# KiCad board IotKnob.kicad_pcb (continued)
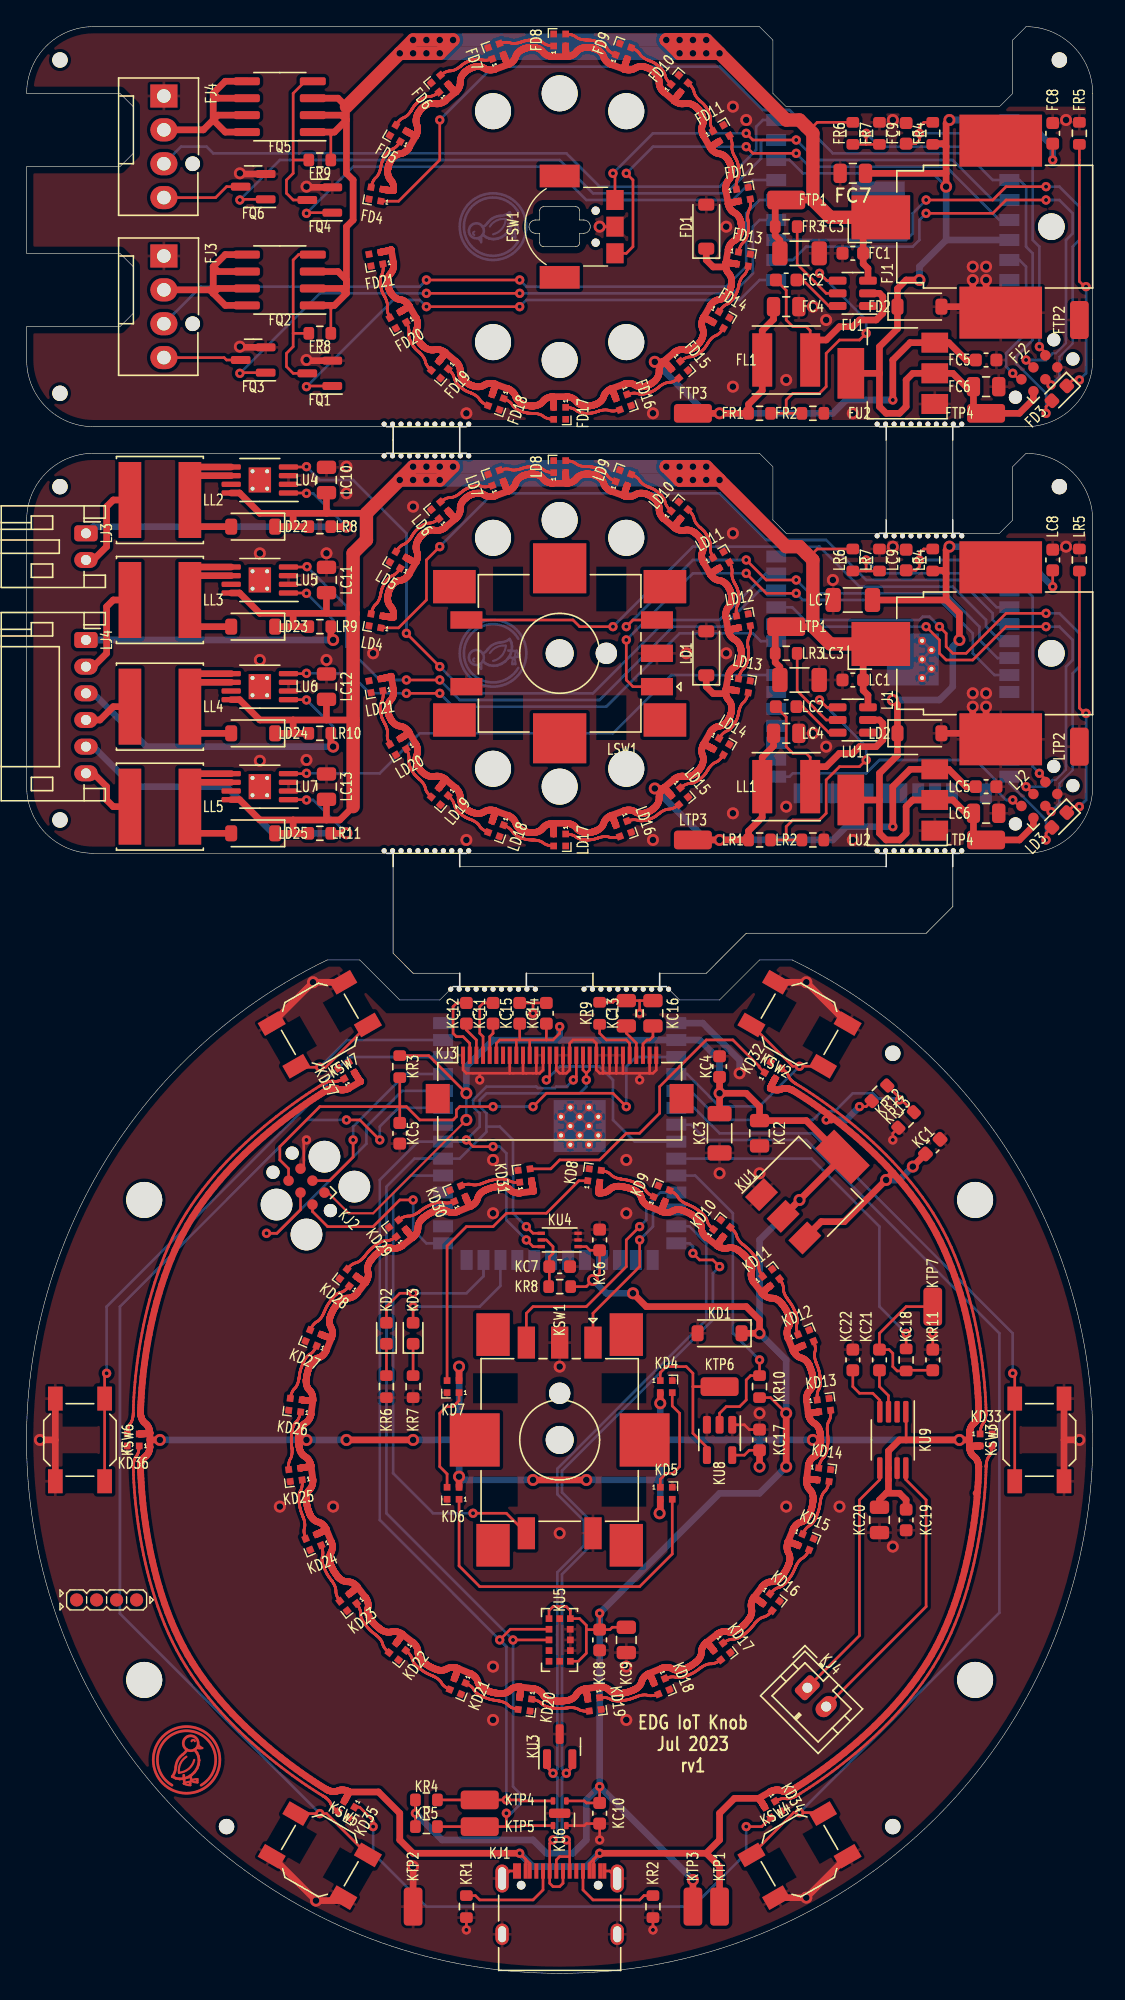
[diagram p0: board, top side]
## Routing (per net, layer and track width the routed paths; a pad name or vN(x,y) marks a point on that pad's centre or on a via; arc(x,y) is an arc through that point) (continued)
rgb_ring.led[11].dout: length 12.1
  Top w0.2: 48.83,87.56 48.81,87.55 48.76,87.52 48.7,87.48 48.68,87.47 48.65,87.45 48.61,87.44 48.55,87.41 48.52,87.39 48.48,87.38 48.45,87.37 48.42,87.35 48.38,87.35 48.34,87.34 48.31,87.33 48.28,87.33 48.24,87.32 48.2,87.32 48.17,87.32 48.14,87.32 48.1,87.31 48.06,87.31 48.03,87.3 48,87.29 47.96,87.28 47.93,87.27 47.89,87.25 47.86,87.24 47.83,87.22 47.77,87.19 47.73,87.18 47.71,87.16 47.68,87.14 47.65,87.13 47.6,87.1 47.56,87.07 47.51,87.03 47.5,87.02 47.48,87.01 47.44,86.98 47.42,86.96 47.41,86.95 47.39,86.93 47.35,86.9 47.32,86.88 47.27,86.84 47.25,86.83 47.24,86.82 47.22,86.8 47.2,86.79 47.19,86.78 47.17,86.77 47.16,86.76 47.12,86.74 47.09,86.72 47.06,86.7 47.05,86.7 47.01,86.68 46.96,86.65 46.94,86.64 46.88,86.62 46.84,86.6 46.79,86.58 46.75,86.56 46.72,86.55 46.7,86.55 46.68,86.54 46.67,86.54 46.64,86.53 46.61,86.52 46.58,86.51 46.53,86.49 46.48,86.48 46.45,86.47 46.39,86.46 46.32,86.45 46.29,86.45 46.22,86.44 46.18,86.44 46.14,86.44 46.11,86.44 46.07,86.44 46.03,86.44 46,86.45 45.96,86.45 45.93,86.46 45.89,86.47 45.83,86.49 45.8,86.5 45.76,86.51 45.73,86.52 45.69,86.52 45.65,86.52 45.62,86.52 45.55,86.52 45.51,86.52 45.47,86.52 45.4,86.51 45.37,86.51 45.34,86.5 45.28,86.49 45.25,86.48 45.22,86.47 45.19,86.47 ; 42.08,19.66 42.05,19.66 41.97,19.66 41.93,19.66 41.9,19.66 41.83,19.67 41.8,19.67 41.76,19.68 41.73,19.69 41.69,19.69 41.66,19.7 41.62,19.71 41.58,19.72 41.55,19.73 41.52,19.75 41.49,19.76 41.45,19.78 41.42,19.79 41.4,19.81 41.36,19.83 41.3,19.86 41.27,19.87 41.23,19.88 41.2,19.89 41.16,19.9 41.12,19.9 41.09,19.91 41.05,19.92 41.02,19.92 40.98,19.92 40.92,19.93 40.89,19.93 40.8,19.93 40.72,19.92 40.7,19.92 40.68,19.92 40.64,19.92 40.62,19.92 40.62,19.92 40.61,19.91 40.6,19.91 40.58,19.91 40.57,19.91 40.55,19.91 40.53,19.9 40.49,19.9 40.47,19.9 40.45,19.9 40.4,19.89 40.37,19.89 40.32,19.88 40.29,19.88 40.26,19.88 40.12,19.87 40.05,19.86 40.02,19.86 40,19.86 39.98,19.86 39.95,19.86 39.88,19.87 39.74,19.88 39.71,19.88 39.68,19.88 39.63,19.89 39.6,19.89 39.55,19.9 39.53,19.9 39.51,19.9 39.47,19.9 39.45,19.91 39.43,19.91 39.42,19.91 39.4,19.91 39.39,19.91 39.38,19.92 39.36,19.92 39.32,19.93 39.28,19.93 39.26,19.94 39.21,19.95 39.18,19.96 39.12,19.97 39.09,19.98 39.06,19.99 39.03,20 38.99,20.02 38.96,20.03 38.93,20.04 38.89,20.06 38.86,20.07 38.83,20.09 38.8,20.11 38.77,20.13 38.74,20.15 38.71,20.17 38.68,20.19 38.66,20.22 38.61,20.27 38.58,20.29 38.56,20.31 38.53,20.33 38.5,20.35 38.47,20.37 38.44,20.39 38.4,20.41 38.37,20.42 38.34,20.44 38.31,20.45 38.27,20.47 38.24,20.48 38.21,20.49 38.18,20.5 38.12,20.52 38.09,20.53 38.06,20.53 38.03,20.54 ; 48.83,119.56 48.81,119.55 48.76,119.52 48.7,119.48 48.68,119.47 48.65,119.45 48.61,119.44 48.55,119.41 48.52,119.39 48.48,119.38 48.45,119.37 48.42,119.35 48.38,119.35 48.34,119.34 48.31,119.33 48.28,119.33 48.24,119.32 48.2,119.32 48.17,119.32 48.14,119.32 48.1,119.31 48.06,119.31 48.03,119.3 48,119.29 47.96,119.28 47.93,119.27 47.89,119.25 47.86,119.24 47.83,119.22 47.77,119.19 47.73,119.18 47.71,119.16 47.68,119.14 47.65,119.13 47.6,119.1 47.56,119.07 47.51,119.03 47.5,119.02 47.48,119.01 47.44,118.98 47.42,118.96 47.41,118.95 47.39,118.93 47.35,118.9 47.32,118.88 47.27,118.84 47.25,118.83 47.24,118.82 47.22,118.8 47.2,118.79 47.19,118.78 47.17,118.77 47.16,118.76 47.12,118.74 47.09,118.72 47.06,118.7 47.05,118.7 47.01,118.68 46.96,118.65 46.94,118.64 46.88,118.62 46.84,118.6 46.79,118.58 46.75,118.56 46.73,118.56 46.72,118.55 46.7,118.55 46.68,118.54 46.67,118.54 46.65,118.53 46.64,118.53 46.61,118.52 46.58,118.51 46.53,118.49 46.48,118.48 46.45,118.47 46.39,118.46 46.32,118.45 46.29,118.45 46.22,118.44 46.18,118.44 46.14,118.44 46.11,118.44 46.07,118.44 46.03,118.44 46,118.45 45.96,118.45 45.93,118.46 45.89,118.47 45.83,118.49 45.8,118.5 45.76,118.51 45.73,118.52 45.69,118.52 45.65,118.52 45.62,118.52 45.55,118.52 45.51,118.52 45.47,118.52 45.4,118.51 45.37,118.51 45.34,118.5 45.28,118.49 45.25,118.48 45.22,118.47 45.19,118.47
rgb_ring.led[12].dout: length 12.1
  Top w0.2: 44.38,85.23 44.36,85.23 44.33,85.22 44.3,85.21 44.27,85.21 44.24,85.2 44.21,85.2 44.14,85.19 44.07,85.18 44.03,85.18 44,85.18 43.96,85.18 43.92,85.18 43.89,85.18 43.85,85.19 43.82,85.19 43.78,85.2 43.75,85.21 43.68,85.23 43.65,85.24 43.61,85.25 43.58,85.25 43.54,85.26 43.51,85.26 43.43,85.26 43.4,85.26 43.36,85.26 43.33,85.26 43.26,85.25 43.22,85.24 43.19,85.24 43.16,85.23 43.13,85.23 43.07,85.21 43.05,85.21 43.02,85.2 43,85.2 42.98,85.19 42.96,85.18 42.95,85.18 42.93,85.17 42.92,85.17 42.89,85.16 42.89,85.16 42.88,85.16 42.86,85.15 42.84,85.14 42.83,85.14 42.81,85.13 42.8,85.13 42.77,85.12 42.75,85.11 42.73,85.11 42.71,85.1 42.65,85.08 42.61,85.07 42.55,85.06 42.53,85.05 42.48,85.04 42.43,85.03 42.31,85.02 42.27,85.02 42.25,85.01 42.19,85.01 42.17,85.01 42.13,85.01 42.12,85.01 42.1,85.01 42.06,85.01 41.98,85.01 41.97,85.01 41.96,85.01 41.91,85.01 41.86,85.01 41.8,85.02 41.77,85.02 41.71,85.03 41.68,85.04 41.64,85.05 41.61,85.06 41.58,85.06 41.51,85.08 41.47,85.1 41.44,85.11 41.41,85.12 41.37,85.14 41.34,85.15 41.31,85.17 41.28,85.19 41.25,85.21 41.2,85.25 41.17,85.27 41.14,85.29 41.11,85.31 41.08,85.33 41.04,85.34 41.01,85.36 40.98,85.37 40.94,85.38 40.87,85.4 40.84,85.41 40.81,85.42 40.77,85.42 40.74,85.43 40.68,85.44 40.65,85.44 40.59,85.45 ; 44.38,117.23 44.36,117.23 44.33,117.22 44.3,117.21 44.27,117.21 44.24,117.2 44.17,117.19 44.14,117.19 44.07,117.18 44.03,117.18 44,117.18 43.96,117.18 43.92,117.18 43.89,117.18 43.85,117.19 43.82,117.19 43.78,117.2 43.75,117.21 43.68,117.23 43.65,117.24 43.61,117.25 43.58,117.25 43.54,117.26 43.51,117.26 43.43,117.26 43.4,117.26 43.36,117.26 43.33,117.26 43.26,117.25 43.22,117.24 43.19,117.24 43.16,117.23 43.13,117.23 43.07,117.21 43.05,117.21 43.02,117.2 43,117.2 42.98,117.19 42.96,117.18 42.95,117.18 42.93,117.17 42.92,117.17 42.89,117.16 42.89,117.16 42.88,117.16 42.86,117.15 42.84,117.14 42.81,117.13 42.8,117.13 42.77,117.12 42.75,117.11 42.73,117.11 42.71,117.1 42.65,117.08 42.61,117.07 42.55,117.06 42.53,117.05 42.48,117.04 42.43,117.03 42.31,117.02 42.27,117.02 42.25,117.01 42.19,117.01 42.17,117.01 42.13,117.01 42.12,117.01 42.1,117.01 42.06,117.01 42.04,117.01 41.98,117.01 41.97,117.01 41.96,117.01 41.91,117.01 41.86,117.01 41.8,117.02 41.77,117.02 41.71,117.03 41.68,117.04 41.64,117.05 41.61,117.06 41.58,117.06 41.51,117.08 41.47,117.1 41.44,117.11 41.41,117.12 41.37,117.14 41.34,117.15 41.31,117.17 41.28,117.19 41.25,117.21 41.2,117.25 41.17,117.27 41.14,117.29 41.11,117.31 41.08,117.33 41.04,117.34 41.01,117.36 40.98,117.37 40.94,117.38 40.87,117.4 40.84,117.41 40.81,117.42 40.77,117.42 40.74,117.43 40.68,117.44 40.65,117.44 40.59,117.45 ; 33.06,21.71 33.11,21.68 33.16,21.65 33.19,21.64 33.22,21.62 33.25,21.6 33.3,21.56 33.36,21.51 33.39,21.49 33.41,21.46 33.44,21.44 33.46,21.41 33.49,21.39 33.51,21.36 33.53,21.33 33.55,21.3 33.56,21.27 33.58,21.24 33.6,21.21 33.62,21.18 33.64,21.15 33.67,21.12 33.69,21.1 33.74,21.05 33.77,21.02 33.8,21 33.85,20.96 33.88,20.94 33.91,20.92 33.97,20.88 33.99,20.87 34.04,20.84 34.07,20.83 34.09,20.81 34.11,20.8 34.14,20.79 34.17,20.77 34.19,20.76 34.21,20.76 34.23,20.75 34.25,20.74 34.27,20.73 34.28,20.73 34.3,20.72 34.34,20.7 34.36,20.7 34.39,20.69 34.41,20.68 34.44,20.67 34.46,20.66 34.49,20.65 34.51,20.64 34.54,20.63 34.56,20.62 34.67,20.58 34.69,20.58 34.72,20.57 34.74,20.56 34.77,20.56 34.81,20.54 34.83,20.54 34.86,20.53 34.88,20.53 34.91,20.52 34.93,20.52 35.01,20.5 35.1,20.49 35.12,20.48 35.15,20.48 35.2,20.47 35.23,20.46 35.25,20.46 35.27,20.46 35.31,20.45 35.33,20.45 35.35,20.45 35.38,20.44 35.4,20.44 35.44,20.43 35.48,20.43 35.5,20.42 35.57,20.41 35.6,20.4 35.66,20.38 35.69,20.37 35.75,20.35 35.78,20.34 35.82,20.33 35.88,20.3 35.92,20.28 35.95,20.27 35.98,20.25 36.04,20.21 36.07,20.19 36.1,20.16 36.12,20.14 36.17,20.09 36.19,20.07 36.22,20.04 36.25,20.02 36.31,19.98 36.34,19.96 36.38,19.95 36.41,19.93 36.44,19.92 36.51,19.89 36.54,19.88 36.57,19.87 36.6,19.86 36.66,19.84 36.72,19.82 36.75,19.82
rgb_ring.led[13].dout: length 12.1
  Top w0.2: 35.92,118.06 36,118.03 36.02,118.01 36.05,117.99 36.11,117.96 36.14,117.94 36.17,117.92 36.22,117.88 36.28,117.83 36.31,117.81 36.33,117.78 36.36,117.76 36.38,117.73 36.4,117.7 36.42,117.67 36.44,117.64 36.46,117.61 36.48,117.58 36.5,117.56 36.52,117.53 36.55,117.5 36.57,117.48 36.63,117.43 36.66,117.41 36.68,117.39 36.71,117.36 36.77,117.33 36.8,117.31 36.83,117.29 36.91,117.25 36.94,117.23 36.96,117.22 36.98,117.21 37,117.2 37.02,117.19 37.06,117.18 37.07,117.18 37.08,117.17 37.09,117.17 37.11,117.16 37.11,117.16 37.12,117.16 37.14,117.15 37.16,117.14 37.19,117.13 37.2,117.13 37.23,117.12 37.25,117.11 37.27,117.11 37.29,117.1 37.35,117.08 37.39,117.07 37.45,117.06 37.47,117.05 37.52,117.04 37.57,117.03 37.69,117.02 37.73,117.02 37.75,117.01 37.81,117.01 37.83,117.01 37.87,117.01 37.88,117.01 37.9,117.01 37.94,117.01 37.96,117.01 38.02,117.01 38.03,117.01 38.04,117.01 38.09,117 38.14,117 38.2,116.99 38.23,116.99 38.29,116.98 38.32,116.97 38.36,116.97 38.39,116.96 38.42,116.95 38.49,116.93 38.53,116.92 38.56,116.91 38.59,116.89 38.63,116.88 38.66,116.86 38.69,116.84 38.72,116.82 38.75,116.8 38.8,116.76 38.83,116.74 38.86,116.72 38.89,116.7 38.92,116.69 38.96,116.67 38.99,116.66 39.02,116.65 39.06,116.63 39.13,116.61 39.16,116.61 39.19,116.6 39.23,116.59 39.26,116.58 39.32,116.57 39.35,116.57 39.41,116.56 ; 39.41,84.56 39.35,84.57 39.32,84.57 39.26,84.58 39.23,84.59 39.19,84.6 39.16,84.61 39.13,84.61 39.06,84.63 39.02,84.65 38.99,84.66 38.96,84.67 38.92,84.69 38.89,84.7 38.86,84.72 38.83,84.74 38.8,84.76 38.75,84.8 38.72,84.82 38.69,84.84 38.66,84.86 38.63,84.88 38.59,84.89 38.56,84.91 38.53,84.92 38.49,84.93 38.42,84.95 38.39,84.96 38.36,84.97 38.32,84.97 38.29,84.98 38.23,84.99 38.2,84.99 38.14,85 38.09,85 38.04,85.01 38.03,85.01 37.96,85.01 37.94,85.01 37.9,85.01 37.88,85.01 37.87,85.01 37.83,85.01 37.81,85.01 37.75,85.01 37.73,85.02 37.69,85.02 37.59,85.03 37.57,85.03 37.52,85.04 37.47,85.05 37.39,85.07 37.35,85.08 37.29,85.1 37.27,85.11 37.25,85.11 37.22,85.12 37.2,85.13 37.19,85.13 37.17,85.14 37.16,85.14 37.14,85.15 37.12,85.16 37.11,85.16 37.1,85.16 37.08,85.17 37.08,85.17 37.07,85.18 37.06,85.18 37.02,85.19 37,85.2 36.98,85.21 36.96,85.22 36.94,85.23 36.91,85.25 36.83,85.29 36.8,85.31 36.77,85.33 36.71,85.36 36.68,85.39 36.66,85.41 36.63,85.43 36.57,85.48 36.55,85.5 36.52,85.53 36.5,85.56 36.48,85.58 36.46,85.61 36.44,85.64 36.42,85.67 36.4,85.7 36.38,85.73 36.36,85.76 36.33,85.78 36.31,85.81 36.28,85.83 36.22,85.88 36.17,85.92 36.14,85.94 36.11,85.96 36.05,85.99 36.02,86.01 36,86.03 35.92,86.06 ; 28.56,24.13 28.58,24.11 28.6,24.09 28.62,24.07 28.67,24.02 28.71,23.97 28.73,23.95 28.78,23.89 28.8,23.86 28.82,23.83 28.84,23.8 28.86,23.77 28.87,23.74 28.89,23.71 28.9,23.67 28.92,23.64 28.92,23.61 28.93,23.57 28.94,23.54 28.95,23.5 28.96,23.47 28.98,23.44 28.99,23.41 29.01,23.37 29.03,23.34 29.05,23.31 29.09,23.25 29.11,23.22 29.13,23.2 29.18,23.14 29.2,23.12 29.24,23.07 29.28,23.03 29.3,23.02 29.34,22.98 29.36,22.97 29.38,22.95 29.41,22.92 29.43,22.91 29.44,22.9 29.45,22.9 29.46,22.89 29.47,22.88 29.49,22.86 29.5,22.85 29.54,22.83 29.58,22.8 29.6,22.78 29.64,22.75 29.69,22.72 29.71,22.7 29.78,22.66 29.82,22.63 29.85,22.61 29.87,22.6 29.89,22.59 29.91,22.57 29.93,22.56 29.95,22.55 29.97,22.54 30.01,22.52 30.08,22.48 30.11,22.47 30.14,22.46 30.21,22.42 30.26,22.4 30.28,22.39 30.33,22.37 30.35,22.36 30.39,22.34 30.43,22.32 30.44,22.32 30.48,22.3 30.49,22.3 30.52,22.28 30.57,22.26 30.61,22.24 30.63,22.23 30.67,22.21 30.7,22.19 30.75,22.16 30.81,22.12 30.84,22.1 30.87,22.08 30.89,22.06 30.92,22.03 30.95,22.01 30.98,21.99 31,21.96 31.03,21.93 31.05,21.91 31.07,21.88 31.09,21.85 31.11,21.82 31.13,21.79 31.14,21.76 31.16,21.73 31.18,21.7 31.21,21.67 31.25,21.62 31.28,21.59 31.31,21.57 31.33,21.54 31.36,21.52 31.39,21.5 31.42,21.48 31.45,21.46 31.5,21.42 31.56,21.39 31.58,21.37 31.63,21.35
rgb_ring.led[14].dout: length 12.1
  Top w0.2: 34.5,85.64 34.48,85.65 34.45,85.66 34.4,85.69 34.34,85.72 34.32,85.74 34.29,85.76 34.26,85.78 34.23,85.8 34.17,85.85 34.14,85.87 34.12,85.89 34.09,85.92 34.07,85.94 34.04,85.97 34.02,86 34,86.03 33.97,86.09 33.95,86.12 33.92,86.14 33.9,86.17 33.88,86.2 33.82,86.25 33.77,86.29 33.71,86.34 33.68,86.36 33.65,86.38 33.62,86.39 33.59,86.41 33.57,86.43 33.54,86.44 33.51,86.45 33.49,86.47 33.46,86.48 33.42,86.5 33.4,86.51 33.38,86.51 33.33,86.53 33.32,86.54 33.29,86.55 33.28,86.55 33.22,86.58 33.21,86.58 33.16,86.6 33.06,86.64 33.04,86.65 32.99,86.68 32.95,86.7 32.94,86.7 32.91,86.72 32.88,86.74 32.84,86.76 32.83,86.77 32.81,86.78 32.8,86.79 32.78,86.8 32.76,86.82 32.75,86.83 32.68,86.88 32.62,86.92 32.61,86.93 32.59,86.95 32.58,86.96 32.54,86.99 32.52,87.01 32.49,87.03 32.48,87.05 32.43,87.09 32.41,87.11 32.39,87.13 32.37,87.16 32.35,87.18 32.33,87.2 32.31,87.23 32.29,87.26 32.25,87.31 32.21,87.37 32.19,87.4 32.17,87.43 32.15,87.47 32.14,87.5 32.12,87.53 32.11,87.57 32.1,87.6 32.09,87.63 32.08,87.7 32.07,87.73 32.06,87.77 32.05,87.8 32.03,87.84 32,87.9 31.98,87.93 31.96,87.96 31.94,87.99 31.92,88.02 31.9,88.05 31.88,88.08 31.84,88.13 31.8,88.18 31.78,88.2 31.74,88.24 ; 34.5,117.64 34.48,117.65 34.45,117.66 34.4,117.69 34.34,117.72 34.32,117.74 34.26,117.78 34.23,117.8 34.17,117.85 34.14,117.87 34.12,117.89 34.09,117.92 34.07,117.94 34.04,117.97 34.02,118 34,118.03 33.97,118.09 33.95,118.12 33.92,118.14 33.9,118.17 33.88,118.2 33.82,118.25 33.77,118.29 33.71,118.34 33.68,118.36 33.65,118.38 33.62,118.39 33.59,118.41 33.57,118.43 33.54,118.44 33.51,118.45 33.49,118.47 33.46,118.48 33.42,118.5 33.4,118.51 33.38,118.51 33.33,118.53 33.32,118.54 33.29,118.55 33.28,118.55 33.27,118.56 33.21,118.58 33.16,118.6 33.06,118.64 33.04,118.65 32.99,118.68 32.95,118.7 32.94,118.7 32.91,118.72 32.88,118.74 32.84,118.76 32.83,118.77 32.81,118.78 32.8,118.79 32.78,118.8 32.76,118.82 32.75,118.83 32.68,118.88 32.62,118.92 32.61,118.93 32.59,118.95 32.58,118.96 32.54,118.99 32.52,119.01 32.49,119.03 32.48,119.05 32.43,119.09 32.41,119.11 32.39,119.13 32.37,119.16 32.35,119.18 32.33,119.2 32.31,119.23 32.29,119.26 32.25,119.31 32.21,119.37 32.19,119.4 32.17,119.43 32.15,119.47 32.14,119.5 32.12,119.53 32.11,119.57 32.1,119.6 32.09,119.63 32.08,119.7 32.07,119.73 32.06,119.77 32.05,119.8 32.03,119.84 32,119.9 31.98,119.93 31.96,119.96 31.94,119.99 31.92,120.02 31.9,120.05 31.88,120.08 31.84,120.13 31.8,120.18 31.78,120.2 31.74,120.24 ; 27.09,24.15 27.05,24.19 27.03,24.21 27,24.23 26.98,24.25 26.96,24.28 26.94,24.3 26.89,24.36 26.85,24.42 26.83,24.45 26.79,24.51 26.78,24.54 26.76,24.57 26.75,24.61 26.73,24.64 26.72,24.67 26.71,24.74 26.7,24.77 26.69,24.81 26.67,24.84 26.66,24.87 26.64,24.9 26.6,24.97 26.58,25 26.54,25.05 26.52,25.08 26.47,25.13 26.43,25.18 26.41,25.2 26.39,25.23 26.33,25.28 26.28,25.32 26.26,25.34 26.24,25.36 26.2,25.38 26.18,25.4 26.15,25.43 26.11,25.45 26.08,25.49 25.99,25.55 25.95,25.59 25.93,25.61 25.87,25.66 25.85,25.68 25.83,25.7 25.81,25.71 25.79,25.73 25.77,25.75 25.74,25.78 25.72,25.8 25.71,25.81 25.69,25.83 25.67,25.85 25.65,25.87 25.6,25.94 25.58,25.96 25.55,26 25.5,26.06 25.48,26.08 25.45,26.12 25.42,26.15 25.4,26.18 25.38,26.21 25.36,26.23 25.35,26.25 25.34,26.26 25.33,26.28 25.3,26.32 25.28,26.34 25.27,26.36 25.26,26.39 25.23,26.44 25.21,26.46 25.2,26.49 25.17,26.55 25.14,26.61 25.12,26.65 25.1,26.72 25.09,26.75 25.08,26.79 25.07,26.82 25.07,26.86 25.06,26.89 25.06,26.93 25.06,26.96 25.06,27.03 25.06,27.07 25.05,27.1 25.05,27.14 25.04,27.17 25.03,27.21 25.01,27.28 25,27.31 24.99,27.35 24.98,27.38 24.96,27.41 24.95,27.44 24.92,27.5 24.9,27.53 24.89,27.56 24.86,27.61 24.84,27.63
rgb_ring.led[15].dout: length 12.1
  Top w0.2: 30.26,88.32 30.2,88.39 30.19,88.41 30.16,88.43 30.12,88.49 30.08,88.54 30.04,88.6 30.02,88.63 30,88.66 29.99,88.7 29.97,88.73 29.96,88.76 29.94,88.8 29.93,88.83 29.92,88.86 29.91,88.93 29.9,88.97 29.89,89 29.88,89.03 29.86,89.07 29.85,89.1 29.83,89.13 29.81,89.16 29.8,89.19 29.76,89.25 29.71,89.31 29.67,89.36 29.63,89.41 29.61,89.43 29.59,89.45 29.57,89.47 29.54,89.5 29.5,89.54 29.48,89.56 29.47,89.57 29.44,89.6 29.42,89.61 29.39,89.63 29.38,89.64 29.36,89.67 29.33,89.69 29.31,89.71 29.3,89.72 29.27,89.75 29.25,89.76 29.24,89.78 29.19,89.82 29.14,89.87 29.13,89.89 29.12,89.9 29.11,89.91 29.08,89.96 29.04,90.01 29.03,90.03 29.02,90.04 28.97,90.11 28.94,90.16 28.94,90.17 28.93,90.19 28.92,90.2 28.9,90.23 28.9,90.24 28.88,90.26 28.87,90.28 28.87,90.29 28.86,90.3 28.85,90.32 28.84,90.34 28.82,90.38 28.8,90.43 28.79,90.45 28.78,90.48 28.77,90.51 28.76,90.54 28.75,90.57 28.73,90.6 28.72,90.64 28.71,90.67 28.7,90.7 28.7,90.74 28.69,90.77 28.68,90.81 28.68,90.85 28.67,90.88 28.67,90.92 28.67,90.95 28.67,90.99 28.68,91.02 28.69,91.09 28.69,91.13 28.69,91.16 28.69,91.2 28.69,91.23 28.69,91.27 28.68,91.31 28.68,91.34 28.67,91.38 28.66,91.41 28.65,91.45 28.63,91.51 28.62,91.55 28.61,91.58 28.6,91.61 28.59,91.64 28.56,91.69 28.55,91.71 ; 23.42,28.03 23.41,28.06 23.38,28.11 23.36,28.13 23.35,28.16 23.33,28.19 23.32,28.22 23.3,28.25 23.29,28.28 23.28,28.32 23.26,28.35 23.25,28.39 23.23,28.46 23.22,28.49 23.22,28.53 23.21,28.56 23.21,28.6 23.21,28.63 23.21,28.67 23.21,28.7 23.21,28.74 23.2,28.77 23.2,28.81 23.19,28.84 23.19,28.88 23.18,28.91 23.17,28.95 23.15,28.98 23.14,29.01 23.11,29.08 23.1,29.11 23.08,29.14 23.05,29.2 23.04,29.23 23.01,29.28 22.98,29.32 22.97,29.34 22.96,29.36 22.95,29.37 22.93,29.4 22.92,29.42 22.9,29.43 22.9,29.44 22.89,29.45 22.88,29.47 22.87,29.48 22.86,29.49 22.85,29.51 22.82,29.54 22.79,29.58 22.78,29.6 22.75,29.65 22.71,29.69 22.7,29.72 22.65,29.78 22.62,29.83 22.61,29.85 22.59,29.87 22.58,29.89 22.57,29.92 22.56,29.93 22.54,29.95 22.53,29.98 22.51,30.02 22.47,30.09 22.46,30.12 22.45,30.14 22.41,30.22 22.39,30.27 22.38,30.29 22.36,30.34 22.35,30.36 22.33,30.4 22.32,30.43 22.31,30.45 22.3,30.49 22.29,30.5 22.28,30.52 22.28,30.53 22.27,30.56 22.25,30.59 22.23,30.67 22.23,30.69 22.22,30.72 22.21,30.75 22.2,30.78 22.2,30.81 22.18,30.88 22.17,30.95 22.17,30.99 22.17,31.06 22.17,31.1 22.17,31.13 22.17,31.17 22.18,31.2 22.18,31.24 22.19,31.27 22.2,31.31 22.21,31.34 22.22,31.37 22.22,31.41 22.23,31.45 22.23,31.48 22.23,31.52 22.23,31.55 22.23,31.59 22.22,31.66 22.21,31.73 22.21,31.77 22.2,31.8 22.19,31.86 22.18,31.89 22.17,31.92 22.17,31.95 22.16,31.97 ; 28.55,123.71 28.56,123.69 28.59,123.64 28.6,123.61 28.61,123.58 28.62,123.55 28.63,123.51 28.65,123.45 28.66,123.41 28.67,123.38 28.68,123.34 28.68,123.31 28.69,123.27 28.69,123.23 28.69,123.2 28.69,123.16 28.69,123.13 28.69,123.09 28.68,123.02 28.67,122.99 28.67,122.95 28.67,122.92 28.67,122.88 28.68,122.85 28.68,122.81 28.69,122.77 28.7,122.74 28.7,122.7 28.71,122.67 28.72,122.64 28.73,122.6 28.75,122.57 28.76,122.54 28.77,122.51 28.78,122.48 28.79,122.45 28.8,122.43 28.82,122.38 28.84,122.34 28.85,122.32 28.86,122.3 28.87,122.29 28.88,122.28 28.89,122.25 28.9,122.24 28.92,122.2 28.93,122.19 28.94,122.17 28.97,122.11 29.02,122.04 29.03,122.03 29.04,122.01 29.06,121.98 29.08,121.96 29.11,121.91 29.12,121.9 29.13,121.89 29.14,121.87 29.19,121.82 29.24,121.78 29.25,121.76 29.27,121.75 29.3,121.72 29.31,121.71 29.33,121.69 29.36,121.67 29.38,121.64 29.42,121.61 29.46,121.58 29.47,121.56 29.54,121.5 29.57,121.47 29.59,121.45 29.61,121.43 29.63,121.41 29.67,121.36 29.71,121.31 29.76,121.25 29.8,121.19 29.81,121.16 29.83,121.13 29.85,121.1 29.86,121.07 29.88,121.03 29.89,121 29.9,120.97 29.91,120.93 29.92,120.86 29.93,120.83 29.94,120.8 29.96,120.76 29.97,120.73 29.99,120.7 30,120.66 30.02,120.63 30.04,120.6 30.08,120.54 30.12,120.49 30.16,120.43 30.19,120.41 30.2,120.39 30.26,120.32
rgb_ring.led[16].dout: length 12.1
  Top w0.2: 27.2,92.3 27.19,92.32 27.17,92.35 27.16,92.38 27.15,92.41 27.14,92.44 27.13,92.47 27.12,92.5 27.11,92.53 27.1,92.57 27.09,92.6 27.08,92.64 27.08,92.67 27.07,92.71 27.06,92.74 27.06,92.78 27.06,92.81 27.06,92.85 27.06,92.89 27.06,92.92 27.07,92.95 27.07,92.99 27.08,93.02 27.08,93.06 27.08,93.1 27.08,93.13 27.07,93.2 27.06,93.24 27.06,93.27 27.04,93.34 27.03,93.38 27.02,93.41 27.01,93.44 27,93.47 26.98,93.5 26.97,93.53 26.96,93.56 26.95,93.59 26.94,93.61 26.93,93.63 26.91,93.67 26.89,93.72 26.87,93.74 26.86,93.76 26.83,93.81 26.82,93.84 26.81,93.86 26.8,93.87 26.78,93.91 26.78,93.92 26.76,93.96 26.73,94.01 26.71,94.05 26.7,94.09 26.69,94.1 26.68,94.12 26.66,94.17 26.66,94.19 26.65,94.2 26.65,94.22 26.64,94.24 26.64,94.26 26.63,94.28 26.61,94.34 26.61,94.36 26.61,94.38 26.6,94.4 26.6,94.42 26.59,94.46 26.58,94.47 26.58,94.51 26.57,94.55 26.56,94.58 26.56,94.6 26.56,94.63 26.55,94.66 26.55,94.7 26.55,94.72 26.54,94.75 26.54,94.77 26.54,94.8 26.54,94.86 26.54,94.93 26.54,95 26.55,95.07 26.56,95.14 26.57,95.21 26.58,95.25 26.59,95.28 26.6,95.31 26.61,95.35 26.63,95.38 26.65,95.41 26.66,95.44 26.68,95.47 26.69,95.5 26.7,95.54 26.72,95.61 26.74,95.68 26.75,95.75 26.75,95.82 26.76,95.89 26.76,95.95 26.75,96.01 26.75,96.04 26.75,96.07 ; 27.2,124.3 27.19,124.32 27.17,124.35 27.16,124.38 27.15,124.41 27.14,124.44 27.13,124.47 27.12,124.5 27.11,124.53 27.1,124.57 27.09,124.6 27.08,124.64 27.08,124.67 27.07,124.71 27.06,124.74 27.06,124.78 27.06,124.81 27.06,124.85 27.06,124.89 27.06,124.92 27.07,124.95 27.07,124.99 27.08,125.02 27.08,125.06 27.08,125.1 27.08,125.13 27.07,125.2 27.06,125.24 27.06,125.27 27.04,125.34 27.03,125.38 27.02,125.41 27.01,125.44 27,125.47 26.98,125.5 26.97,125.53 26.96,125.56 26.95,125.59 26.94,125.61 26.93,125.63 26.91,125.67 26.89,125.72 26.87,125.74 26.86,125.76 26.83,125.81 26.82,125.84 26.81,125.86 26.8,125.87 26.78,125.91 26.78,125.92 26.76,125.96 26.73,126.01 26.71,126.05 26.7,126.09 26.69,126.1 26.68,126.12 26.66,126.17 26.66,126.19 26.65,126.2 26.65,126.22 26.64,126.24 26.64,126.26 26.63,126.28 26.61,126.34 26.61,126.36 26.61,126.38 26.6,126.4 26.6,126.42 26.59,126.46 26.58,126.47 26.58,126.51 26.57,126.55 26.56,126.58 26.56,126.6 26.56,126.63 26.55,126.66 26.55,126.7 26.55,126.72 26.54,126.75 26.54,126.77 26.54,126.8 26.54,126.86 26.54,126.93 26.54,127 26.55,127.07 26.56,127.14 26.57,127.21 26.58,127.25 26.59,127.28 26.6,127.31 26.61,127.35 26.63,127.38 26.65,127.41 26.66,127.44 26.68,127.47 26.69,127.5 26.7,127.54 26.72,127.61 26.74,127.68 26.75,127.75 26.75,127.82 26.76,127.89 26.76,127.95 26.75,128.01 26.75,128.04 26.75,128.07 ; 20.89,32.73 20.88,32.76 20.87,32.78 20.86,32.81 20.86,32.84 20.85,32.87 20.84,32.91 20.83,32.97 20.82,33.04 20.81,33.12 20.81,33.15 20.81,33.19 20.81,33.22 20.82,33.26 20.82,33.3 20.83,33.33 20.84,33.37 20.85,33.4 20.86,33.43 20.86,33.47 20.87,33.5 20.87,33.54 20.88,33.61 20.88,33.64 20.87,33.72 20.87,33.79 20.86,33.82 20.86,33.86 20.85,33.89 20.84,33.92 20.83,33.95 20.83,33.98 20.82,34.01 20.81,34.04 20.8,34.07 20.79,34.11 20.78,34.13 20.77,34.16 20.76,34.19 20.75,34.21 20.74,34.24 20.73,34.26 20.73,34.27 20.72,34.29 20.71,34.31 20.7,34.35 20.69,34.37 20.68,34.39 20.67,34.42 20.66,34.44 20.65,34.47 20.64,34.49 20.63,34.52 20.62,34.54 20.61,34.57 20.58,34.68 20.57,34.7 20.56,34.72 20.56,34.75 20.55,34.77 20.54,34.81 20.53,34.84 20.53,34.86 20.52,34.89 20.52,34.91 20.51,34.94 20.49,35.02 20.48,35.1 20.47,35.13 20.47,35.16 20.46,35.21 20.46,35.23 20.45,35.26 20.45,35.28 20.44,35.32 20.44,35.34 20.44,35.35 20.44,35.38 20.43,35.41 20.43,35.43 20.43,35.45 20.43,35.47 20.42,35.49 20.42,35.58 20.42,35.67 20.42,35.7 20.43,35.77 20.43,35.84 20.44,35.87 20.44,35.91 20.45,35.95 20.46,35.98 20.47,36.02 20.49,36.08 20.5,36.12 20.52,36.15 20.54,36.18 20.55,36.21 20.57,36.24 20.59,36.27 20.6,36.3 20.62,36.34 20.63,36.37 20.65,36.44 20.66,36.48 20.66,36.51 20.67,36.55 20.68,36.62 20.68,36.65 20.69,36.72 20.69,36.75 20.69,36.84 20.69,36.87
rgb_ring.led[17].dout: length 4.3
  Top w0.2: 20.53,41.97 20.53,41.95 20.52,41.92 20.51,41.89 20.49,41.83 20.48,41.8 20.47,41.77 20.46,41.73 20.45,41.7 20.43,41.67 20.42,41.64 20.4,41.6 20.39,41.57 20.37,41.54 20.35,41.51 20.33,41.48 20.31,41.45 20.28,41.42 20.26,41.4 20.21,41.35 20.19,41.32 20.16,41.3 20.14,41.27 20.12,41.24 20.1,41.21 20.08,41.18 20.07,41.14 20.05,41.11 20.04,41.08 20.02,41.05 20.01,41.01 20,40.98 19.99,40.95 19.98,40.92 19.97,40.89 19.95,40.83 19.94,40.8 19.93,40.75 19.92,40.71 19.92,40.67 19.91,40.64 19.91,40.62 19.91,40.61 19.91,40.6 19.9,40.59 19.9,40.58 19.9,40.56 19.9,40.54 19.89,40.5 19.89,40.48 19.89,40.45 19.88,40.4 19.88,40.38 19.88,40.32 19.87,40.3 19.87,40.27 19.86,40.13 19.86,40.05 19.86,40.03 19.86,40.01 19.86,39.98 19.86,39.96 19.86,39.88 19.87,39.75 19.87,39.72 19.88,39.69 19.88,39.64 19.88,39.61 19.89,39.56 19.89,39.54 19.89,39.51 19.9,39.47 19.9,39.45 19.9,39.44 19.9,39.42 19.91,39.41 19.91,39.4 19.91,39.39 19.91,39.35 19.92,39.32 19.92,39.31 19.92,39.24 19.92,39.21 19.92,39.12 19.92,39.09 19.92,39.02 19.91,38.99 19.91,38.95 19.9,38.92 19.9,38.88 19.89,38.85 19.88,38.81 19.87,38.78 19.86,38.74 19.85,38.71 19.82,38.64 19.81,38.61 19.79,38.58 19.77,38.55 19.75,38.52 19.74,38.49 19.73,38.46 19.71,38.42 19.7,38.39 19.69,38.35 19.69,38.32 19.68,38.28 19.67,38.25 19.67,38.21 19.66,38.17 19.66,38.11 19.66,38.07 19.66,38.04 19.66,37.95 19.66,37.93
rgb_ring.led[18].dout: length 4.3
  Top w0.2: 21.7,46.94 21.68,46.9 21.65,46.84 21.63,46.82 21.61,46.79 21.59,46.76 21.55,46.7 21.51,46.65 21.48,46.62 21.46,46.59 21.43,46.57 21.41,46.54 21.38,46.52 21.35,46.5 21.32,46.48 21.29,46.46 21.26,46.44 21.23,46.43 21.2,46.41 21.17,46.39 21.14,46.36 21.12,46.34 21.09,46.32 21.04,46.26 21.02,46.24 20.99,46.21 20.95,46.15 20.93,46.12 20.91,46.1 20.88,46.04 20.86,46.01 20.83,45.96 20.82,45.94 20.81,45.92 20.8,45.9 20.78,45.86 20.77,45.84 20.76,45.81 20.75,45.79 20.74,45.77 20.73,45.76 20.73,45.74 20.72,45.72 20.71,45.71 20.7,45.67 20.69,45.64 20.68,45.62 20.67,45.6 20.66,45.57 20.65,45.55 20.64,45.52 20.63,45.49 20.62,45.47 20.61,45.44 20.58,45.34 20.57,45.31 20.56,45.29 20.56,45.26 20.55,45.24 20.54,45.2 20.53,45.18 20.53,45.15 20.52,45.13 20.52,45.1 20.51,45.07 20.49,44.99 20.48,44.91 20.47,44.88 20.47,44.86 20.46,44.8 20.46,44.78 20.45,44.76 20.45,44.73 20.44,44.69 20.44,44.68 20.44,44.66 20.44,44.63 20.43,44.61 20.43,44.56 20.42,44.53 20.42,44.51 20.4,44.43 20.39,44.41 20.38,44.35 20.37,44.32 20.34,44.25 20.33,44.22 20.32,44.19 20.29,44.12 20.28,44.09 20.26,44.06 20.24,44.03 20.2,43.97 20.18,43.94 20.16,43.91 20.13,43.88 20.08,43.84 20.06,43.81 20.04,43.78 20.02,43.76 19.97,43.7 19.96,43.66 19.94,43.63 19.92,43.6 19.91,43.57 19.88,43.5 19.87,43.47 19.86,43.44 19.85,43.4 19.83,43.34 19.82,43.29 19.81,43.26
rgb_ring.led[19].dout: length 4.3
  Top w0.2: 21.34,48.38 21.37,48.42 21.38,48.45 21.42,48.5 21.45,48.56 21.47,48.59 21.49,48.62 21.52,48.64 21.54,48.67 21.56,48.7 21.59,48.73 21.61,48.75 21.67,48.8 21.69,48.82 21.72,48.84 21.75,48.86 21.78,48.88 21.81,48.89 21.84,48.91 21.87,48.93 21.9,48.96 21.93,48.98 21.95,49 21.98,49.03 22,49.06 22.03,49.08 22.05,49.11 22.07,49.14 22.09,49.17 22.13,49.22 22.15,49.25 22.18,49.31 22.2,49.33 22.23,49.38 22.24,49.4 22.26,49.44 22.27,49.47 22.28,49.48 22.29,49.51 22.3,49.53 22.31,49.56 22.32,49.58 22.33,49.61 22.35,49.65 22.36,49.68 22.38,49.72 22.39,49.75 22.41,49.8 22.45,49.87 22.46,49.9 22.47,49.92 22.51,49.99 22.53,50.04 22.54,50.06 22.56,50.08 22.57,50.1 22.58,50.12 22.59,50.14 22.61,50.16 22.65,50.23 22.7,50.3 22.71,50.32 22.75,50.36 22.78,50.41 22.79,50.43 22.82,50.47 22.85,50.5 22.86,50.52 22.87,50.53 22.88,50.55 22.89,50.56 22.9,50.57 22.91,50.59 22.92,50.61 22.94,50.63 22.96,50.65 22.98,50.67 23.01,50.7 23.03,50.72 23.07,50.76 23.11,50.81 23.14,50.83 23.19,50.87 23.22,50.9 23.25,50.92 23.31,50.96 23.34,50.98 23.37,51 23.4,51.01 23.43,51.03 23.47,51.04 23.5,51.05 23.53,51.06 23.57,51.07 23.6,51.08 23.63,51.09 23.67,51.1 23.7,51.12 23.73,51.13 23.76,51.15 23.8,51.17 23.83,51.19 23.86,51.21 23.89,51.23 23.94,51.27 23.97,51.29 24.02,51.34 24.06,51.38 24.08,51.4 24.1,51.42 24.12,51.44
rgb_ring.led[20].dout: length 4.3
  Top w0.2: 24.14,52.92 24.18,52.96 24.2,52.98 24.22,53 24.25,53.02 24.27,53.05 24.3,53.07 24.35,53.11 24.41,53.16 24.44,53.18 24.5,53.21 24.53,53.23 24.57,53.25 24.6,53.26 24.63,53.27 24.67,53.28 24.73,53.3 24.77,53.31 24.8,53.32 24.83,53.34 24.87,53.35 24.9,53.37 24.96,53.41 24.99,53.43 25.05,53.47 25.08,53.49 25.13,53.53 25.18,53.58 25.2,53.6 25.22,53.62 25.27,53.68 25.31,53.73 25.33,53.75 25.35,53.77 25.38,53.8 25.4,53.83 25.42,53.86 25.45,53.89 25.48,53.93 25.55,54.01 25.58,54.06 25.6,54.08 25.65,54.14 25.67,54.16 25.69,54.18 25.71,54.2 25.72,54.22 25.74,54.23 25.77,54.27 25.79,54.28 25.81,54.3 25.83,54.32 25.85,54.33 25.87,54.35 25.93,54.41 25.95,54.42 25.99,54.46 26.06,54.51 26.08,54.53 26.11,54.56 26.15,54.59 26.18,54.61 26.2,54.63 26.22,54.64 26.24,54.66 26.25,54.66 26.27,54.68 26.32,54.71 26.33,54.72 26.36,54.74 26.38,54.75 26.43,54.78 26.46,54.79 26.48,54.81 26.54,54.84 26.61,54.87 26.64,54.88 26.71,54.91 26.74,54.92 26.78,54.93 26.81,54.93 26.85,54.94 26.89,54.95 26.92,54.95 26.95,54.95 27.03,54.95 27.06,54.95 27.09,54.95 27.13,54.96 27.17,54.96 27.2,54.97 27.27,54.99 27.31,55 27.34,55.02 27.37,55.03 27.4,55.04 27.44,55.06 27.5,55.09 27.52,55.1 27.55,55.12 27.6,55.15 27.62,55.16
rgb_ring.led[21].dout: length 4.3
  Top w0.2: 28.03,56.58 28.05,56.6 28.1,56.63 28.13,56.64 28.15,56.66 28.18,56.67 28.21,56.69 28.25,56.7 28.28,56.72 28.31,56.73 28.34,56.74 28.38,56.75 28.45,56.77 28.48,56.78 28.52,56.79 28.56,56.79 28.59,56.8 28.62,56.8 28.66,56.8 28.69,56.8 28.73,56.8 28.77,56.8 28.8,56.81 28.83,56.81 28.87,56.82 28.91,56.83 28.94,56.84 28.97,56.85 29.01,56.87 29.07,56.89 29.11,56.91 29.14,56.92 29.19,56.95 29.22,56.97 29.27,57 29.31,57.02 29.33,57.04 29.35,57.05 29.37,57.06 29.39,57.08 29.41,57.09 29.43,57.1 29.44,57.11 29.45,57.12 29.46,57.13 29.47,57.14 29.49,57.15 29.5,57.16 29.54,57.19 29.58,57.21 29.6,57.23 29.64,57.26 29.69,57.29 29.71,57.31 29.78,57.36 29.82,57.39 29.85,57.4 29.87,57.41 29.89,57.43 29.91,57.44 29.93,57.45 29.95,57.46 29.97,57.47 30.01,57.5 30.08,57.53 30.11,57.55 30.14,57.56 30.21,57.59 30.26,57.62 30.28,57.63 30.33,57.65 30.35,57.66 30.39,57.67 30.43,57.69 30.44,57.7 30.48,57.71 30.49,57.72 30.51,57.72 30.52,57.73 30.55,57.74 30.59,57.75 30.66,57.77 30.69,57.78 30.72,57.79 30.75,57.8 30.78,57.8 30.81,57.81 30.88,57.82 30.95,57.83 30.98,57.84 31.05,57.84 31.09,57.84 31.13,57.84 31.16,57.84 31.2,57.83 31.23,57.82 31.27,57.82 31.3,57.81 31.33,57.8 31.37,57.79 31.4,57.78 31.44,57.78 31.47,57.78 31.51,57.78 31.55,57.78 31.58,57.78 31.66,57.78 31.72,57.79 31.76,57.8 31.79,57.8 31.86,57.82 31.89,57.83 31.92,57.83 31.94,57.84 31.97,57.85
rgb_ring.led[22].dout: length 4.3
  Top w0.2: 32.72,59.12 32.75,59.13 32.78,59.13 32.81,59.14 32.84,59.15 32.87,59.16 32.9,59.16 32.97,59.18 33.04,59.19 33.11,59.19 33.15,59.19 33.18,59.19 33.22,59.19 33.25,59.19 33.29,59.18 33.32,59.18 33.36,59.17 33.39,59.16 33.42,59.15 33.46,59.14 33.5,59.14 33.53,59.13 33.6,59.13 33.64,59.13 33.71,59.13 33.78,59.14 33.82,59.15 33.85,59.15 33.88,59.16 33.92,59.16 33.95,59.17 33.98,59.18 34.01,59.19 34.03,59.2 34.06,59.2 34.11,59.22 34.12,59.22 34.16,59.24 34.18,59.24 34.2,59.25 34.23,59.27 34.25,59.27 34.27,59.28 34.28,59.28 34.3,59.29 34.34,59.31 34.36,59.32 34.39,59.33 34.41,59.34 34.44,59.34 34.46,59.35 34.49,59.36 34.51,59.37 34.54,59.38 34.56,59.39 34.67,59.43 34.69,59.44 34.72,59.44 34.74,59.45 34.77,59.46 34.81,59.47 34.83,59.48 34.86,59.48 34.88,59.49 34.91,59.49 34.93,59.5 35.01,59.51 35.1,59.53 35.12,59.53 35.15,59.54 35.2,59.54 35.23,59.55 35.25,59.55 35.27,59.56 35.31,59.56 35.33,59.56 35.35,59.57 35.38,59.57 35.4,59.57 35.42,59.58 35.44,59.58 35.46,59.58 35.48,59.58 35.58,59.59 35.66,59.59 35.7,59.58 35.76,59.58 35.83,59.57 35.87,59.57 35.9,59.56 35.94,59.55 35.97,59.55 36.01,59.54 36.08,59.52 36.11,59.5 36.14,59.49 36.17,59.47 36.2,59.45 36.23,59.43 36.27,59.42 36.3,59.4 36.33,59.39 36.36,59.38 36.43,59.36 36.47,59.35 36.5,59.34 36.54,59.34 36.61,59.33 36.64,59.32 36.71,59.32 36.74,59.32 36.83,59.32 36.86,59.32